# Altium PCB IPG.PcbDoc (part 2 of 10)
Units mm, origin at the board's own origin, x right, y up, seen from the top; angles counter-clockwise.
Board outline 69.6 x 90.73 mm, 10 copper layers (TOP, DHOR, DVERT, GND 1, POWER, GND 2, GND 3, AVERT, AHOR, BOT), stack 1.062 mm thick; 727 components, 391 nets, 2009 pads, 3077 vias.
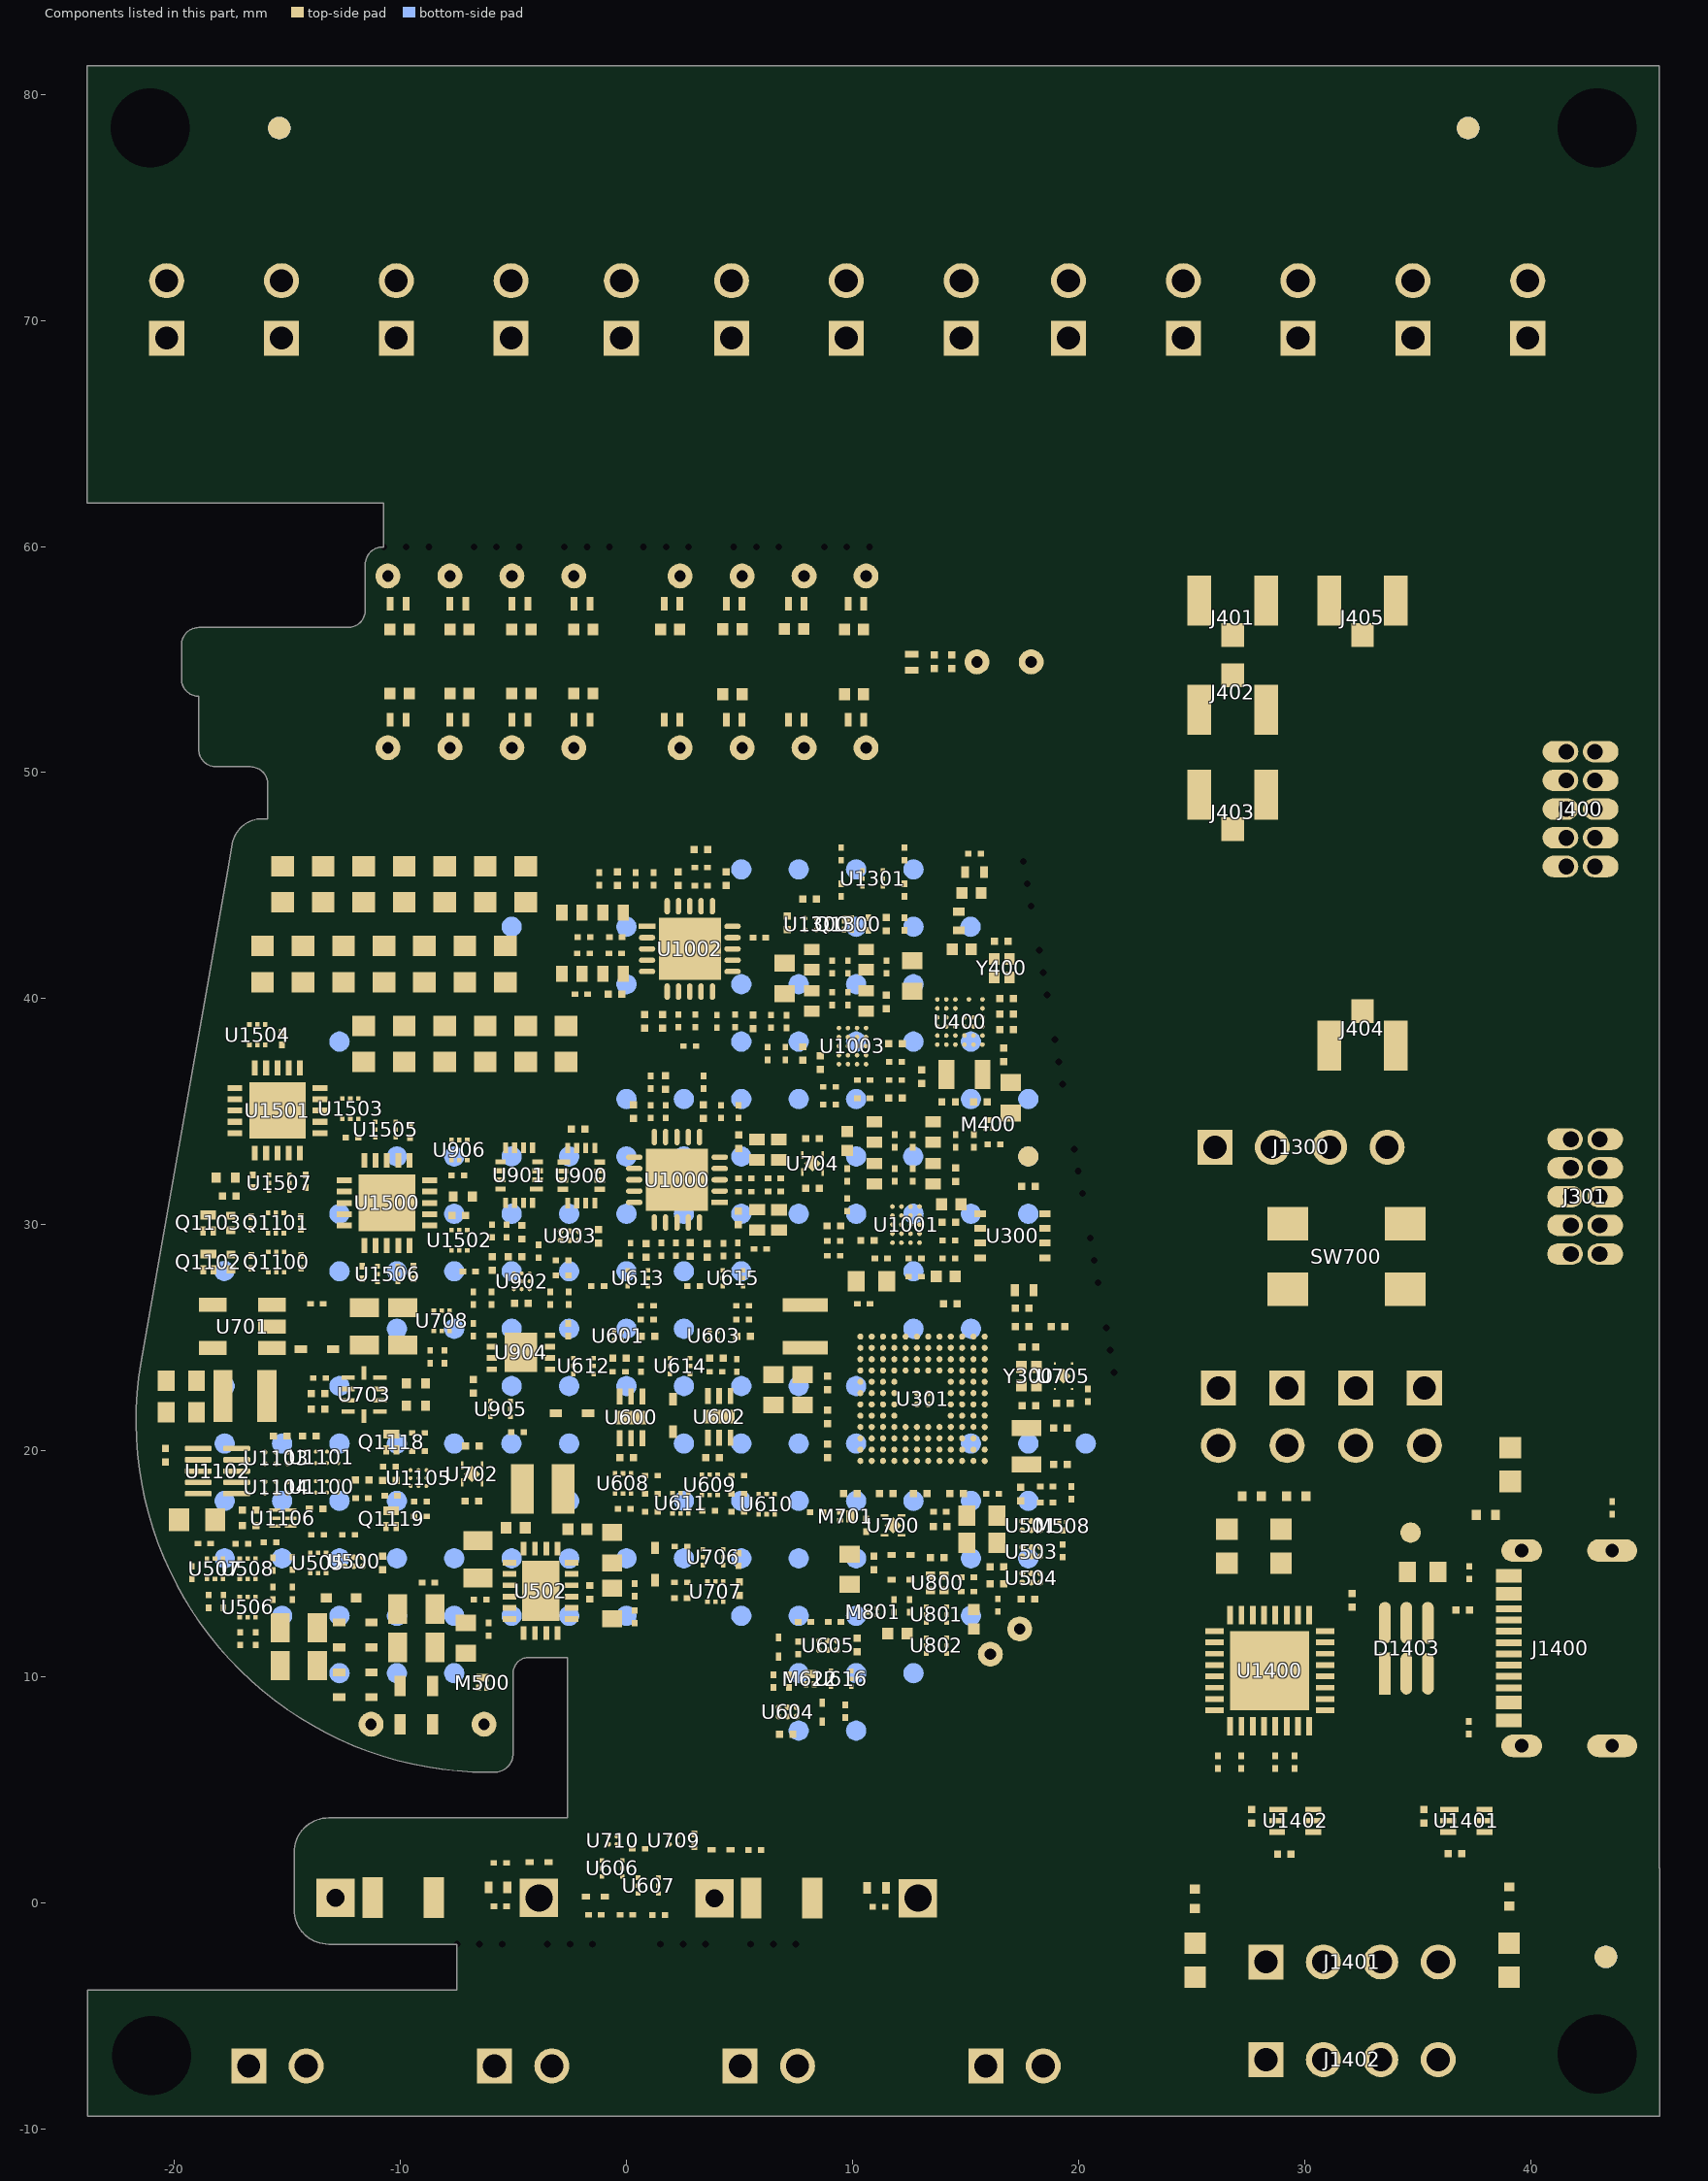
[diagram p10: the components of this part, seen from the top]

## Components (designator, comment, footprint, x,y, rotation, side; value= is the part's Value field where it differs from the comment) (continued)
C1400 "GRM188R61C475KE11" CAP0603_REDUCED#1 35.23,14.63 r0 top value=4.7uF
C1401 "GRM033R61E104KE14J" C0201_C 37.006,12.963 r180 top value=100nF
C1402 "GRM033R61C105ME15D" C0201_C 32.106,13.386 r270 top value=1uF
C1404 "GRM033R61C105ME15D" C0201_C 36.652,2.184 r0 top value=1uF
C1405 "GRM033R61E104KE14J" C0201_C 35.281,3.83 r90 top value=100nF
C1406 "GRM033R61C105ME15D" C0201_C 29.108,2.159 r180 top value=1uF
C1407 "GRM033R61E104KE14J" C0201_C 27.653,3.83 r90 top value=100nF
C1500 "GRM033R61E104KE14J" C0201_C -7.415,30.404 r0 top value=100nF
C1501 "GRM033R61E104KE14J" C0201_C -17.582,31.267 r0 top value=100nF
C1502 "GRM188C61E226ME01J" C0603 -4.463,45.06 r90 top value=22uF
C1503 "GRM188C61E226ME01J" C0603 -4.463,37.998 r90 top value=22uF
C1504 "GRM188C61E226ME01J" C0603 -8.045,45.06 r270 top value=22uF
C1505 "GRM188C61E226ME01J" C0603 -8.94,41.529 r270 top value=22uF
C1506 "GRM188C61E226ME01J" C0603 -5.358,41.529 r90 top value=22uF
C1507 "GRM188C61E226ME01J" C0603 -6.254,45.06 r270 top value=22uF
C1508 "GRM188C61E226ME01J" C0603 -11.627,37.998 r270 top value=22uF
C1509 "GRM188C61E226ME01J" C0603 -9.836,37.998 r270 top value=22uF
C1510 "GRM188C61E226ME01J" C0603 -8.045,37.998 r270 top value=22uF
C1511 "GRM188C61E226ME01J" C0603 -11.627,45.06 r270 top value=22uF
C1512 "GRM188C61E226ME01J" C0603 -10.731,41.529 r270 top value=22uF
C1513 "GRM188C61E226ME01J" C0603 -12.522,41.529 r270 top value=22uF
C1514 "GRM188C61E226ME01J" C0603 -16.104,41.529 r270 top value=22uF
C1515 "GRM188C61E226ME01J" C0603 -14.313,41.529 r270 top value=22uF
C1516 "GRM188C61E226ME01J" C0603 -15.209,45.06 r270 top value=22uF
C1517 "GRM188C61E226ME01J" C0603 -2.672,37.998 r270 top value=22uF
C1518 "GRM188C61E226ME01J" C0603 -7.149,41.529 r270 top value=22uF
C1519 "GRM188C61E226ME01J" C0603 -6.254,37.998 r270 top value=22uF
C1520 "GRM188C61E226ME01J" C0603 -9.836,45.06 r270 top value=22uF
C1521 "GRM188C61E226ME01J" C0603 -13.418,45.06 r270 top value=22uF
D500 "GSBT0540X" STM_SOD-523_R -12,11.3 r0 top
D501 "GSBT0540X" STM_SOD-523_R -12,10.2 r0 top
D502 "MM5Z22VT5G" SODFL1608X70N -12.624,13.487 r0 top
D503 "GSBT0540X" STM_SOD-523_R -12,12.4 r180 top
D504 "GSBT0540X" STM_SOD-523_R -12,9.1 r180 top
D600 "GSBT0540X" STM_SOD-523_R -2.413,21.666 r0 top
D601 "NSR0130P2T5G" ONSC_SOD-923_CASE514AB -3.861,1.803 r0 top
D602 "GSBT0540X" STM_SOD-523_R 2.057,21.565 r90 top
D603 "NSR0130P2T5G" ONSC_SOD-923_CASE514AB 4.183,2.344 r180 top
D604 "NSR0130P2T5G" ONSC_SOD-923_CASE514AB -1.372,0.279 r180 top
D605 "NSR0130P2T5G" ONSC_SOD-923_CASE514AB 8.661,8.439 r90 top
D606 "NSR0130P2T5G" ONSC_SOD-923_CASE514AB 6.73,11.319 r270 top
D700 "GSBT0540X" STM_SOD-523_R -13.7,24.5 r180 top
D703 "GSBT0540X" STM_SOD-523_R 1.257,14.986 r90 top
D800 "NSR0130P2T5G" ONSC_SOD-923_CASE514AB 12.153,14.3 r0 top
D801 "NSR0130P2T5G" ONSC_SOD-923_CASE514AB 12.153,15.392 r0 top
D1000 "BAS116LS-QYL" BAS116LSQYL 5.777,30.213 r90 top
D1001 "BAS116LS-QYL" BAS116LSQYL 5.775,33.318 r270 top
D1002 "BAS116LS-QYL" BAS116LSQYL 10.967,32.254 r90 top
D1003 "BAS116LS-QYL" BAS116LSQYL 13.567,32.254 r90 top
D1004 "BAS116LS-QYL" BAS116LSQYL 6.749,30.208 r270 top
D1005 "BAS116LS-QYL" BAS116LSQYL 6.742,33.319 r90 top
D1006 "BAS116LS-QYL" BAS116LSQYL 10.967,34.104 r90 top
D1007 "BAS116LS-QYL" BAS116LSQYL 13.567,34.104 r90 top
D1008 "BAS116LS-QYL" BAS116LSQYL -0.6,43.8 r180 top
D1009 "BAS116LS-QYL" BAS116LSQYL -0.6,41.1 r180 top
D1010 "BAS116LS-QYL" BAS116LSQYL 10.6,39.9 r90 top
D1011 "BAS116LS-QYL" BAS116LSQYL 8.2,39.9 r90 top
D1012 "BAS116LS-QYL" BAS116LSQYL -2.411,43.8 r180 top
D1013 "BAS116LS-QYL" BAS116LSQYL -2.411,41.1 r180 top
D1014 "BAS116LS-QYL" BAS116LSQYL 8.2,41.73 r90 top
D1015 "BAS116LS-QYL" BAS116LSQYL 10.6,41.73 r90 top
D1200 "PESD5V0S1BLD,315" PESD5V0S1BLD315 12.624,54.889 r270 top
D1201 "PESD5V0S1BLD,315" PESD5V0S1BLD315 -10.104,57.472 r180 top
D1202 "PESD5V0S1BLD,315" PESD5V0S1BLD315 2.013,57.47 r0 top
D1203 "PESD5V0S1BLD,315" PESD5V0S1BLD315 -10.104,52.345 r180 top
D1204 "PESD5V0S1BLD,315" PESD5V0S1BLD315 2.013,52.345 r0 top
D1205 "PESD5V0S1BLD,315" PESD5V0S1BLD315 -4.715,57.472 r180 top
D1206 "PESD5V0S1BLD,315" PESD5V0S1BLD315 4.762,57.47 r0 top
D1207 "PESD5V0S1BLD,315" PESD5V0S1BLD315 -7.459,52.345 r180 top
D1208 "PESD5V0S1BLD,315" PESD5V0S1BLD315 7.512,52.345 r0 top
D1209 "PESD5V0S1BLD,315" PESD5V0S1BLD315 -7.459,57.472 r180 top
D1210 "PESD5V0S1BLD,315" PESD5V0S1BLD315 7.512,57.47 r0 top
D1211 "PESD5V0S1BLD,315" PESD5V0S1BLD315 -4.715,52.345 r180 top
D1212 "PESD5V0S1BLD,315" PESD5V0S1BLD315 4.762,52.345 r0 top
D1213 "PESD5V0S1BLD,315" PESD5V0S1BLD315 -1.971,57.472 r180 top
D1214 "PESD5V0S1BLD,315" PESD5V0S1BLD315 10.152,57.472 r0 top
D1215 "PESD5V0S1BLD,315" PESD5V0S1BLD315 -1.971,52.345 r180 top
D1216 "PESD5V0S1BLD,315" PESD5V0S1BLD315 10.152,52.345 r0 top
D1400 "LTST-C191TGKT" LEDC0603 39.106,19.392 r270 top value="GREEN LED"
D1401 "LTST-C191KRKT" LEDC0603 39.056,-2.536 r90 top value="RED LED"
D1402 "LTST-C191KFKT" LEDC0603 25.156,-2.536 r90 top value="ORANGE LED"
D1403 "IP4220CZ6F" FP-SOT457-IPC_A 34.506,11.263 r90 top
D1404 "LTST-C191TGKT" LEDC0603 28.956,15.773 r90 top value="GREEN LED"
D1405 "LTST-C190AKT" LEDC0603 26.568,15.773 r90 top value="AMBER LED"
F600 "0440.750WR" LITTELFUSE_440series_1206_REDUCED -9.881,0.229 r0 top value=750mA
F601 "0440.750WR" LITTELFUSE_440series_1206_REDUCED 6.864,0.215 r0 top value=750mA
J200 "THPAD_20m" FEEDHOLE_20mil 17.905,54.897 r270 top value="FT pad"
J301 "FTSH-105-01-F-D-K" SAMTEC_FTSH-105-01-XXX-D-K 42.418,31.242 r90 top
J400 "FTSH-105-01-F-D-K" SAMTEC_FTSH-105-01-XXX-D-K 42.215,48.387 r90 top
J401 "U.FL-R-SMT-1(10)" FP-U_FL-R-SMT-1_10-MFG 26.822,57.612 r0 top
J402 "U.FL-R-SMT-1(10)" FP-U_FL-R-SMT-1_10-MFG 26.822,52.781 r180 top
J403 "U.FL-R-SMT-1(10)" FP-U_FL-R-SMT-1_10-MFG 26.822,49.022 r0 top
J404 "U.FL-R-SMT-1(10)" FP-U_FL-R-SMT-1_10-MFG 32.563,37.922 r180 top
J405 "U.FL-R-SMT-1(10)" FP-U_FL-R-SMT-1_10-MFG 32.563,57.612 r0 top
J500 "Coil Pad - 20mil" FEEDHOLE_20mil -6.3,7.9 r270 top value="Coil Solder Pad"
J501 "Coil Pad - 20mil" FEEDHOLE_20mil -11.3,7.9 r270 top value="Coil Solder Pad"
J502 "Coil Pad - 20mil" FEEDHOLE_20mil 17.399,12.116 r255 top value="Coil Solder Pad"
J503 "Coil Pad - 20mil" FEEDHOLE_20mil 16.1,11 r0 top value="Coil Solder Pad"
J504 "TSW-102-26-G-S" SMTC-TSW-102-26-XX-S -16.713,-7.214 r0 top
J505 "TSW-102-26-G-S" SMTC-TSW-102-26-XX-S 15.9,-7.214 r0 top
J600 "Positive_Battery_PTH" Positive_Battery_PTH -3.875,0.221 r180 top value="Positive Terminal"
J601 "Negative_Battery_PTH" Negative_Battery_PTH -12.879,0.221 r180 top value="Negative Terminal"
J602 "TSW-102-26-G-S" SMTC-TSW-102-26-XX-S -5.842,-7.214 r0 top
J603 "Positive_Battery_PTH" Positive_Battery_PTH 12.898,0.203 r180 top value="Positive Terminal"
J604 "Negative_Battery_PTH" Negative_Battery_PTH 3.894,0.203 r180 top value="Negative Terminal"
J605 "TSW-102-26-G-S" SMTC-TSW-102-26-XX-S 5.029,-7.214 r0 top
J1200 "THPAD_20m" FEEDHOLE_20mil 15.505,54.897 r90 top value="FT pad"
J1201 "THPAD_20m" FEEDHOLE_20mil -10.558,58.697 r90 top value="FT pad"
J1202 "THPAD_20m" FEEDHOLE_20mil 2.371,58.697 r90 top value="FT pad"
J1203 "TSW-102-26-G-S" SMTC-TSW-102-26-XX-S 39.878,69.222 r90 top
J1204 "THPAD_20m" FEEDHOLE_20mil -10.558,51.097 r90 top value="FT pad"
J1205 "THPAD_20m" FEEDHOLE_20mil 2.371,51.097 r90 top value="FT pad"
J1206 "THPAD_20m" FEEDHOLE_20mil -5.072,58.697 r90 top value="FT pad"
J1207 "THPAD_20m" FEEDHOLE_20mil 5.114,58.697 r90 top value="FT pad"
J1208 "THPAD_20m" FEEDHOLE_20mil -7.815,51.097 r90 top value="FT pad"
J1209 "THPAD_20m" FEEDHOLE_20mil 7.857,51.097 r90 top value="FT pad"
J1210 "THPAD_20m" FEEDHOLE_20mil -7.815,58.697 r90 top value="FT pad"
J1211 "THPAD_20m" FEEDHOLE_20mil 7.857,58.697 r90 top value="FT pad"
J1212 "THPAD_20m" FEEDHOLE_20mil -5.072,51.097 r90 top value="FT pad"
J1213 "THPAD_20m" FEEDHOLE_20mil 5.114,51.097 r90 top value="FT pad"
J1214 "THPAD_20m" FEEDHOLE_20mil -2.329,58.697 r90 top value="FT pad"
J1215 "THPAD_20m" FEEDHOLE_20mil 10.6,58.697 r90 top value="FT pad"
J1216 "THPAD_20m" FEEDHOLE_20mil -2.329,51.097 r90 top value="FT pad"
J1217 "THPAD_20m" FEEDHOLE_20mil 10.6,51.097 r90 top value="FT pad"
J1218 "TSW-102-26-G-S" SMTC-TSW-102-26-XX-S -20.345,69.222 r90 top
J1219 "TSW-102-26-G-S" SMTC-TSW-102-26-XX-S -0.229,69.222 r90 top
J1220 "TSW-102-26-G-S" SMTC-TSW-102-26-XX-S 9.728,69.222 r90 top
J1221 "TSW-102-26-G-S" SMTC-TSW-102-26-XX-S 19.558,69.222 r90 top
J1222 "TSW-102-26-G-S" SMTC-TSW-102-26-XX-S -15.265,69.222 r90 top
J1223 "TSW-102-26-G-S" SMTC-TSW-102-26-XX-S 4.648,69.222 r90 top
J1224 "TSW-102-26-G-S" SMTC-TSW-102-26-XX-S 14.808,69.222 r90 top
J1225 "TSW-102-26-G-S" SMTC-TSW-102-26-XX-S 29.707,69.222 r90 top
J1226 "TSW-102-26-G-S" SMTC-TSW-102-26-XX-S -10.185,69.222 r90 top
J1229 "TSW-102-26-G-S" SMTC-TSW-102-26-XX-S 24.638,69.222 r90 top
J1230 "TSW-102-26-G-S" SMTC-TSW-102-26-XX-S -5.105,69.222 r90 top
J1233 "TSW-102-26-G-S" SMTC-TSW-102-26-XX-S 34.798,69.222 r90 top
J1300 "TSW-104-07-G-S" SMTC-TSW-104-07-X-S 26.035,33.43 r0 top
J1400 "217179-0001" 217179-0001 42.306,11.263 r90 top locked
J1401 "TSW-104-07-G-S" SMTC-TSW-104-07-X-S 28.296,-2.616 r0 top
J1402 "TSW-104-07-G-S" SMTC-TSW-104-07-X-S 28.296,-6.934 r0 top
JP1400 "TSW-102-26-G-S" SMTC-TSW-102-26-XX-S 29.227,22.771 r270 top
JP1401 "TSW-102-26-G-S" SMTC-TSW-102-26-XX-S 32.266,22.771 r270 top
JP1402 "TSW-102-26-G-S" SMTC-TSW-102-26-XX-S 26.187,22.771 r270 top
JP1403 "TSW-102-26-G-S" SMTC-TSW-102-26-XX-S 35.306,22.771 r270 top
L300 "VLS252010HBX-2R2M-1" TDK_VLS252010HBX-1 7.912,25.502 r90 top value=2.2uH
L301 "LQG15HS33NJ02D" L0402_C 17.6,27.1 r180 top value=33nH
L400 "LQW15AN3N9G80D" L0402_C 14.707,43.434 r90 top value=3.9nH
L401 "LQW15AN1N8C00D" L0402_C 15.398,45.593 r180 top value=1.8nH
L500 "LSEUC2520KKT6R8M" LSEUC2520KKT6R8M -3.708,18.313 r0 top value=6.8uH
L600 "DNP" L0402_C -5.69,0.686 r180 top
L601 "DNP" L0402_C 11.068,0.665 r180 top
L700 "74438323100" WURTH_74438323100_REDUCED -16.883,22.43 r0 top value=10uH
M400 "DMP22D4UFO-7B" DIODESINC_X2-DFN0604-3 16.034,34.456 r90 top
M500 "DMN2990UFZ-7B" DIODESINC_X2-DFN0606-3 -6.375,9.756 r90 top
M508 "DMP22D4UFO-7B" DIODESINC_X2-DFN0604-3 19.299,16.639 r270 top
M622 "DMN2990UFZ-7B" DIODESINC_X2-DFN0606-3 8.128,9.915 r90 top
M701 "DMN2990UFZ-7B" DIODESINC_X2-DFN0606-3 9.7,17.1 r0 top
M801 "DMP22D4UFO-7B" DIODESINC_X2-DFN0604-3 10.884,12.878 r180 top
Q1100 "NST3906DP6T5G" DIODESINC_SOT-963-6 -15.499,28.352 r270 top
Q1101 "NST3906DP6T5G" DIODESINC_SOT-963-6 -15.508,30.076 r270 top
Q1102 "BC847BLP-7B" DIODESINC_X1-DFN1006-3 -18.499,28.352 r90 top value=BC847BLP
Q1103 "BC847BLP-7B" DIODESINC_X1-DFN1006-3 -18.508,30.076 r90 top value=BC847BLP
Q1118 "BC847BLP-7B" DIODESINC_X1-DFN1006-3 -10.402,20.389 r90 top value=BC847BLP
Q1119 "BC847BLP-7B" DIODESINC_X1-DFN1006-3 -10.414,16.993 r90 top value=BC847BLP
Q1300 "DMN2990UFZ-7B" DIODESINC_X2-DFN0606-3 9.8,43.3 r90 top
R300 "CRCW020110K0FNED" R0201_C#1 20.417,22.455 r90 top value=10k
R301 "CRCW020110K0FNED" R0201_C#1 13.868,17.297 r180 top value=10k
R302 "CRCW02010000Z0ED" R0201_C#1 16.2,18.1 r180 top value=0R
R303 "CRCW02010000Z0ED" R0201_C#1 10.5,26.5 r180 top value=0R
R400 "CRCW020110M0FNED" R0201_C#1 16.256,33.553 r180 top value=10M
R401 "PA0201-R-070RL" R0201_C#1 15.398,46.409 r180 top value=0R
R500 "CRCW02011M00FNED" R0201_C#1 -14.783,13.691 r90 top value=1M
R501 "CRCW02011M00FNED" R0201_C#1 -19.228,14.611 r90 top value=1M
R502 "SDR03EZPD4020" R0603 -18.999,16.942 r0 top value=402R
R503 "CRCW02011M00FNED" R0201_C#1 -17.831,13.335 r90 top value=1M
R504 "CRCW02011M00FNED" R0201_C#1 -14.783,15.011 r90 top value=1M
R505 "CRCW02012K00FNED" R0201_C#1 -16.408,11.684 r90 top value=2k
R506 "CRCW02011M00FNED" R0201_C#1 -13.665,16.281 r0 top value=1M
R507 "CRCW02011M00FNED" R0201_C#1 -17.014,15.891 r0 top value=1M
R508 "CRCW0201150KFKED" R0201_C#1 -12.291,16.284 r180 top value=150k
R509 "CRCW02012M40FNED" R0201_C#1 -17.094,11.684 r90 top value=2.4M
R510 "CRCW02011M60FNED" R0201_C#1 -18.491,13.335 r90 top value=1.6M
R511 "CRCW02011M60FNED" R0201_C#1 -15.771,15.951 r0 top value=1.6M
R512 "CRCW0201100KFNED" R0201_C#1 -15.646,14.986 r90 top value=100k
R513 "CRCW02011M00FNED" R0201_C#1 -15.646,13.691 r90 top value=1M
R514 "CRCW02011M00FNED" R0201_C#1 -18.683,15.895 r180 top value=1M
R515 "CRCW020110M0FNED" R0201_C#1 18.593,18.415 r0 top value=10M
R516 "CRCW020149K9FNED" R0201_C#1 18.593,17.704 r180 top value=49k9
R517 "CRCW020110M0FNED" R0201_C#1 19.685,18.136 r270 top value=10M
R518 "CRCW020149K9FNED" R0201_C#1 19.3,15.569 r270 top value=49k9
R519 "CRCW02010000Z0ED" R0201_C#1 -6.1,12.1 r270 top value=0R
R520 "CRCW020149K9FNED" R0201_C#1 16.434,13.165 r270 top value=49k9
R521 "CRCW02010000Z0ED" R0201_C#1 -8.763,14.173 r0 top value=0R
R522 "CRCW02011M00FNED" R0201_C#1 -6.477,13.411 r0 top value=1M
R523 "CRCW020110M0FNED" R0201_C#1 0.356,12.651 r270 top value=10M
R524 "CRCW02016M80FNED" R0201_C#1 0.356,13.845 r270 top value=6M8
R600 "CRCW020110M0FNED" R0201_C#1 -0.102,17.425 r0 top value=10M
R601 "CRCW02011M00FNED" R0201_C#1 -0.33,23.495 r180 top value=1M
R602 "CRCW020110M0FNED" R0201_C#1 -1.275,27.285 r0 top value=10M
R603 "CRCW02011M00FNED" R0201_C#1 0.914,26.416 r0 top value=1M
R604 "CRCW020110K0FNED" R0201_C#1 1.1,18.9 r0 top value=10k
R605 "CRCW02014K02FNED" R0201_C#1 1.1,17.3 r0 top value=4k02
R606 "CRCW02017K50FNED" R0201_C#1 1.1,18.1 r0 top value=7k5
R607 "RE0201BRE071ML" R0201_C#1 0.635,23.774 r270 top value=1M
R608 "CRCW02010000Z0ED" R0201_C#1 -5.582,-0.152 r180 top value=0R
R609 "CRCW020110M0FNED" R0201_C#1 -5.59,1.767 r0 top value=10M
R610 "RGC1/20C3903BPA" R0201_C#1 0.914,25.806 r180 top value=390k
R611 "CRCW020110M0FNED" R0201_C#1 3.632,17.348 r0 top value=10M
R612 "CRCW02011M00FNED" R0201_C#1 3.962,23.495 r180 top value=1M
R613 "CRCW020110M0FNED" R0201_C#1 2.972,27.285 r0 top value=10M
R614 "CRCW02010000Z0ED" R0201_C#1 11.176,-0.17 r180 top value=0R
R615 "CRCW020110M0FNED" R0201_C#1 5.676,2.337 r180 top value=10M
R616 "CRCW02011M00FNED" R0201_C#1 5.136,26.416 r0 top value=1M
R617 "CRCW020110K0FNED" R0201_C#1 4.921,18.9 r0 top value=10k
R618 "CRCW02014K02FNED" R0201_C#1 4.921,17.3 r0 top value=4k02
R619 "CRCW02017K50FNED" R0201_C#1 4.921,18.1 r0 top value=7k5
R620 "CRCW02015M10FNED" R0201_C#1 1.422,-0.533 r180 top value=5M1
R621 "RE0201BRE071ML" R0201_C#1 4.883,23.778 r270 top value=1M
R622 "RGC1/20C3903BPA" R0201_C#1 5.136,25.806 r180 top value=390k
R623 "CRCW02015M10FNED" R0201_C#1 -1.4,-0.529 r0 top value=5.1M
R624 "CRCW020110M0FNED" R0201_C#1 0,-0.529 r180 top value=10M
R625 "CRCW02011M00FNED" R0201_C#1 9.677,8.475 r270 top value=1M
R626 "CRCW02011M00FNED" R0201_C#1 7.188,9.811 r270 top value=1M
R627 "CRCW02011M00FNED" R0201_C#1 6.502,9.811 r90 top value=1M
R628 "CRCW02011M00FNED" R0201_C#1 7.597,11.283 r90 top value=1M
R629 "CRCW02011M00FNED" R0201_C#1 9.204,12.423 r180 top value=1M
R630 "CRCW02011M00FNED" R0201_C#1 7.874,12.423 r180 top value=1M
R700 "CRCW0201100KFNED" R0201_C#1 10.6,16.7 r270 top value=100k
R701 "CRCW0201100RFNED" R0201_C#1 2.416,15.763 r0 top value=100R
R702 "CRCW020110M0FNED" R0201_C#1 8.407,17.275 r180 top value=10M
R703 "CRCW020110M0FNED" R0201_C#1 -8.687,24.155 r270 top value=10M
R704 "CRCW020110M0FNED" R0201_C#1 2.406,14.175 r0 top value=10M
R705 "CRCW020110M0FNED" R0201_C#1 -8.051,24.155 r90 top value=10M
R706 "CRCW0201340KFKED" R0201_C#1 -13.7,26.5 r0 top value=340k
R707 "Resistor, DNP, 0402" RES0402_REDUCED -9.316,21.984 r180 top value=DNP
R708 "Resistor, DNP, 0402" RES0402_REDUCED -9.316,22.984 r180 top value=DNP
R709 "CRCW020110M0FNED" R0201_C#1 2.4,13.48 r0 top value=10M
R710 "CRCW020110K0FNED" R0201_C#1 4.953,15.191 r270 top value=10k
R711 "CRCW020140K2FNED" R0201_C#1 -13.581,23.218 r180 top value=40k2
R712 "CRCW020110M0FNED" R0201_C#1 2.997,2.769 r270 top value=10M
R713 "CRCW020110M0FNED" R0201_C#1 0.54,2.388 r180 top value=10M
R800 "CRCW02014M70FNED" R0201_C#1 11.836,13.132 r270 top value=4.7M
R801 "CRCW020110M0FNED" R0201_C#1 12.522,13.132 r270 top value=10M
R803 "CRCW020110M0FNED" R0201_C#1 15.088,13.767 r0 top value=10M
R804 "CRCW020110M0FNED" R0201_C#1 15.088,14.402 r0 top value=10M
R900 "CRCW02018K20FNED" R0201_C#1 -5.974,26.752 r270 top value=8.2k
R901 "CRCW020159K0FNED" R0201_C#1 -6.774,26.752 r270 top value=59k
R902 "CRCW02010000Z0ED" R0201_C#1 -6.774,25.352 r270 top value=0R
R903 "CRCW020110M0FNED" R0201_C#1 -4.826,20.828 r0 top value=10M
R906 "CRCW02010000Z0ED" R0201_C#1 -2.574,25.352 r270 top value=0R
R907 "CRCW02018K20FNED" R0201_C#1 -3.374,26.752 r270 top value=8.2k
R908 "CRCW020159K0FNED" R0201_C#1 -2.552,26.752 r270 top value=59k
R909 "CRCW02011M00FNED" R0201_C#1 -5.944,29.718 r90 top value=1M
R910 "CRCW0201200KFNED" R0201_C#1 -6.96,27.929 r0 top value=200k
R911 "CRCW02011M00FNED" R0201_C#1 -5.309,29.718 r90 top value=1M
R912 "CRCW0201200KFNED" R0201_C#1 -3.886,28.825 r270 top value=200k
R913 "CRCW0201120KFNED" R0201_C#1 -2.849,27.762 r0 top value=120k
R914 "CRCW0201100KFNED" R0201_C#1 -2.849,28.423 r0 top value=100k
R915 "CRCW020110M0FNED" R0201_C#1 -7.465,32.182 r0 top value=10M
R1000 "CRCW020110M0FNED" R0201_C#1 1.549,28.911 r90 top value=10M
R1001 "CRCW0201150KFNED" R0201_C#1 1.077,36.305 r90 top value=150k
R1002 "CRCW020110M0FNED" R0201_C#1 4.296,28.893 r90 top value=10M
R1003 "CRCW020110M0FNED" R0201_C#1 9.169,28.626 r0 top value=10M
R1004 "CRCW020110M0FNED" R0201_C#1 9.767,30.881 r90 top value=10M
R1005 "CRCW02011M40FNED" R0201_C#1 5.918,28.931 r180 top value=1.4M
R1006 "CRCW02011M40FNED" R0201_C#1 15.367,33.704 r90 top value=1.4M
R1007 "CRCW020110M0FNED" R0201_C#1 4.928,28.911 r270 top value=10M
R1008 "CRCW020110M0FNED" R0201_C#1 2.184,28.911 r270 top value=10M
R1009 "CRCW020110M0FNED" R0201_C#1 9.767,32.204 r90 top value=10M
R1010 "CRCW020110M0FNED" R0201_C#1 9.169,29.286 r180 top value=10M
R1011 "CRCW0201180KFNED" R0201_C#1 5.24,31.464 r180 top value=180k
R1012 "CRCW0201180KFNED" R0201_C#1 11.867,32.204 r270 top value=180k
R1013 "CRCW02010000Z0ED" R0201_C#1 11.267,28.504 r180 top value=0R
R1014 "CRCW02010000Z0ED" R0201_C#1 0.178,28.905 r90 top value=0R
R1015 "CRCW0201180KFNED" R0201_C#1 5.24,32.046 r180 top value=180k
R1016 "CRCW020110M0FNED" R0201_C#1 6.547,32.046 r0 top value=10M
R1017 "CRCW020110M0FNED" R0201_C#1 6.547,31.465 r0 top value=10M
R1018 "CRCW0201180KFNED" R0201_C#1 12.667,32.204 r270 top value=180k
R1019 "CRCW020110M0FNED" R0201_C#1 12.667,33.704 r90 top value=10M
R1020 "CRCW020110M0FNED" R0201_C#1 11.867,33.704 r90 top value=10M
R1021 "CRCW0201360KFNED" R0201_C#1 4.96,35 r270 top value=360k
R1022 "CRCW0201360KFNED" R0201_C#1 14.567,33.704 r270 top value=360k
R1023 "CRCW02012M20FNED" R0201_C#1 12.767,27.704 r0 top value=2M2
R1024 "CRCW02011M00FNED" R0201_C#1 12.767,28.504 r180 top value=1M
R1025 "CRCW02011M00FNED" R0201_C#1 3.404,36.305 r270 top value=1M
R1026 "CRCW0201150KFNED" R0201_C#1 4.18,35 r270 top value=150k
R1027 "CRCW02011M00FNED" R0201_C#1 14.267,29.304 r180 top value=1M
R1028 "CRCW0201100KFNED" R0201_C#1 1.732,35 r270 top value=100k
R1029 "CRCW0201249KFNED" R0201_C#1 14.267,28.504 r0 top value=249k
R1030 "CRCW0201910KFNED" R0201_C#1 1.077,35 r270 top value=910k
R1031 "CRCW020110M0FNED" R0201_C#1 3.3,45 r0 top value=10M
R1032 "CRCW020110M0FNED" R0201_C#1 6.239,37.575 r90 top value=10M
R1033 "CRCW0201150KFNED" R0201_C#1 3.048,39.014 r270 top value=150k